# KiCad board cell-sim.kicad_pcb (continued)
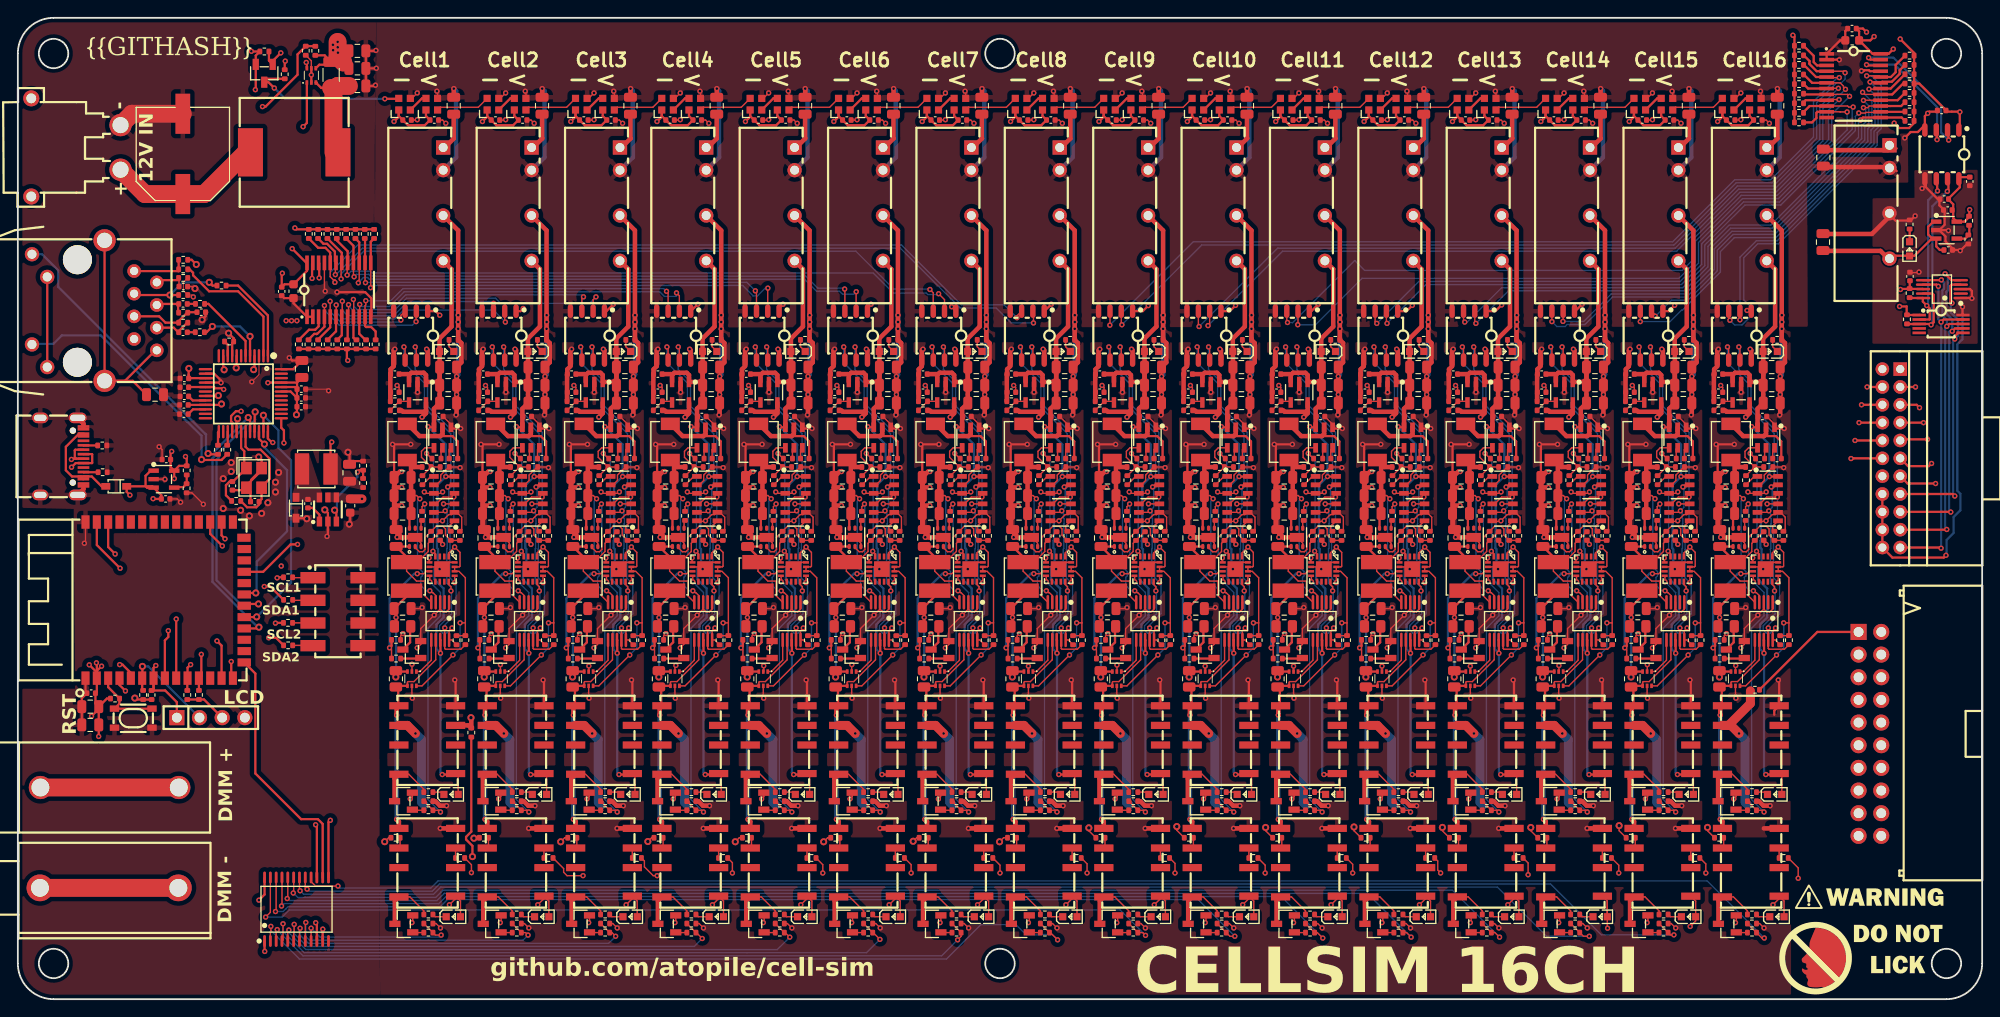
[diagram p0: board, top side]
## Nets (continued)
cell2.gpio-p6: U45.9
cell2.gpio-p7: U45.10
cell2.internal_ldo.feedback_div-out: R115.2 R116.1 U49.4
cell2.isolated_converter.led.resistor-cathode: LED5.1 R94.1
cell2.ldo.ctrl_resistor-fb: R99.2 R100.2 R101.1 U41.2
cell2.ldo.dac-vout: R99.1 U40.1
cell2.ldo.regulator-dnc: U41.5
cell2.ldo.regulator-en: R102.2 U41.4
cell2.load_switch.fet-gate: Q6.1 R110.2
cell2.load_switch.fet-n: Q6.3 R112.2
cell2.output_relay.fet-gate: Q4.1 R105.2
cell2.output_relay.indicator_led.resistor-cathode: LED6.1 R104.1
cell2.output_relay.relay-gnd: Q4.3 R104.2 U43.8
cell2.voltage_led.ic-vcc: U47.4 U48.2
CELL2_3V3_VCC: C72.1 R113.2 R114.2 R115.1 U38.3 U40.3 U42.6 U45.1 U45.14 U45.15 U46.8 U49.5
CELL2_5V_VCC: C58.1 C59.1 C60.1 C61.1 C71.1 LED5.2 LED6.2 U36.6 U37.8 U38.6 U39.3 U43.1 U49.1 U49.3
CELL2_BUCK_ENABLE: R98.1 U45.4
CELL2_BUCK_POWER_OUT_VCC: C62.1 C63.1 C64.1 L5.2 R96.1 U37.4 U41.6
CELL2_CURRENT_SENSE_OUTPUT: U37.6 U42.1
CELL2_CURRENT_SENSE_POWER_OUT_VCC: R103.2 U37.7 U42.4 U43.5 U44.5
CELL2_DMM_RELAY_CONTROL: R108.1 R109.1 U16.8
CELL2_FILTER_POWER_OUT_VCC: C68.1 C74.2 C75.2 C76.2 C77.2 C78.2 C79.2 C80.2 C82.2 C83.2 C84.2 C87.2 C88.2 L6.2 Q7.2 Q9.2 R103.1 R112.1 R119.2 R122.2 R126.2 R131.2 R136.2 R141.2 U42.3 U50.4 U51.1 U51.3 U52.2 U53.1 U54.2 U54.6 U55.3 U55.7 U56.2 U56.5 U57.4 U58.4 U59.6 U59.16 U59.17 U60.5 U63.2
CELL2_I2C_SCL: R114.1 U37.10 U38.5 U40.5 U45.12 U46.6
CELL2_I2C_SDA: R113.1 U37.9 U38.4 U40.4 U45.13 U46.7
CELL2_LDO_ENABLE: R102.1 U45.5
CELL2_LDO_POWER_OUT_VCC: C66.1 C67.1 L6.1 R100.1 U37.5 U41.1
CELL2_OUTPUT_RELAY_CONTROL: R105.1 R106.1 U45.8
cell3-gnd: U57.3
cell3-led_data: U61.2 U76.4
cell3-vcc: U57.6 U246.15 U247.10
cell3.adc-alert_slash_rdy: U51.2
cell3.buck.ctrl_resistor-vfb: R120.2 R121.2 R122.1 U53.4
cell3.buck.dac-vout: R120.1 U52.1
cell3.buck.regulator-en: R123.2 U53.5
cell3.buck.regulator-sw: C81.2 L7.1 U53.2
cell3.buck.regulator-vbst: C81.1 U53.6
cell3.dmm_relay-gnd: R143.1 U58.3
cell3.dmm_relay-vcc: R142.1 U58.6
cell3.dmm_relay.fet-gate: Q8.1 R133.2
cell3.dmm_relay.indicator_led.resistor-cathode: LED10.1 R132.1
cell3.dmm_relay.relay-gnd: Q8.3 R132.2 U58.8
cell3.gpio-int: U59.11
cell3.gpio-p0: U59.2
cell3.gpio-p1: U59.3
cell3.gpio-p4: R135.1 R136.1 U59.7
cell3.gpio-p6: U59.9
cell3.gpio-p7: U59.10
cell3.internal_ldo.feedback_div-out: R140.2 R141.1 U63.4
cell3.isolated_converter.led.resistor-cathode: LED8.1 R119.1
cell3.ldo.ctrl_resistor-fb: R124.2 R125.2 R126.1 U55.2
cell3.ldo.dac-vout: R124.1 U54.1
cell3.ldo.regulator-dnc: U55.5
cell3.ldo.regulator-en: R127.2 U55.4
cell3.load_switch.fet-gate: Q9.1 R135.2
cell3.load_switch.fet-n: Q9.3 R137.2
cell3.output_relay.fet-gate: Q7.1 R130.2
cell3.output_relay.indicator_led.resistor-cathode: LED9.1 R129.1
cell3.output_relay.relay-gnd: Q7.3 R129.2 U57.8
cell3.voltage_led.ic-vcc: U61.4 U62.2
CELL3_3V3_VCC: C88.1 R138.2 R139.2 R140.1 U52.3 U54.3 U56.6 U59.1 U59.14 U59.15 U60.8 U63.5
CELL3_5V_VCC: C74.1 C75.1 C76.1 C77.1 C87.1 LED8.2 LED9.2 U50.6 U51.8 U52.6 U53.3 U57.1 U63.1 U63.3
CELL3_BUCK_ENABLE: R123.1 U59.4
CELL3_BUCK_POWER_OUT_VCC: C78.1 C79.1 C80.1 L7.2 R121.1 U51.4 U55.6
CELL3_CURRENT_SENSE_OUTPUT: U51.6 U56.1
CELL3_CURRENT_SENSE_POWER_OUT_VCC: R128.2 U51.7 U56.4 U57.5 U58.5
CELL3_DMM_RELAY_CONTROL: R133.1 R134.1 U16.7
CELL3_FILTER_POWER_OUT_VCC: C84.1 C90.2 C91.2 C92.2 C93.2 C94.2 C95.2 C96.2 C98.2 C99.2 C100.2 C103.2 C104.2 L8.2 Q10.2 Q12.2 R128.1 R137.1 R144.2 R147.2 R151.2 R156.2 R161.2 R166.2 U56.3 U64.4 U65.1 U65.3 U66.2 U67.1 U68.2 U68.6 U69.3 U69.7 U70.2 U70.5 U71.4 U72.4 U73.6 U73.16 U73.17 U74.5 U77.2
CELL3_I2C_SCL: R139.1 U51.10 U52.5 U54.5 U59.12 U60.6
CELL3_I2C_SDA: R138.1 U51.9 U52.4 U54.4 U59.13 U60.7
CELL3_LDO_ENABLE: R127.1 U59.5
CELL3_LDO_POWER_OUT_VCC: C82.1 C83.1 L8.1 R125.1 U51.5 U55.1
CELL3_OUTPUT_RELAY_CONTROL: R130.1 R131.1 U59.8
cell4-gnd: U71.3
cell4-led_data: U75.2 U90.4
cell4-vcc: U71.6 U246.14 U247.9
cell4.adc-alert_slash_rdy: U65.2
cell4.buck.ctrl_resistor-vfb: R145.2 R146.2 R147.1 U67.4
cell4.buck.dac-vout: R145.1 U66.1
cell4.buck.regulator-en: R148.2 U67.5
cell4.buck.regulator-sw: C97.2 L9.1 U67.2
cell4.buck.regulator-vbst: C97.1 U67.6
cell4.dmm_relay-gnd: R168.1 U72.3
cell4.dmm_relay-vcc: R167.1 U72.6
cell4.dmm_relay.fet-gate: Q11.1 R158.2
cell4.dmm_relay.indicator_led.resistor-cathode: LED13.1 R157.1
cell4.dmm_relay.relay-gnd: Q11.3 R157.2 U72.8
cell4.gpio-int: U73.11
cell4.gpio-p0: U73.2
cell4.gpio-p1: U73.3
cell4.gpio-p4: R160.1 R161.1 U73.7
cell4.gpio-p6: U73.9
cell4.gpio-p7: U73.10
cell4.internal_ldo.feedback_div-out: R165.2 R166.1 U77.4
cell4.isolated_converter.led.resistor-cathode: LED11.1 R144.1
cell4.ldo.ctrl_resistor-fb: R149.2 R150.2 R151.1 U69.2
cell4.ldo.dac-vout: R149.1 U68.1
cell4.ldo.regulator-dnc: U69.5
cell4.ldo.regulator-en: R152.2 U69.4
cell4.load_switch.fet-gate: Q12.1 R160.2
cell4.load_switch.fet-n: Q12.3 R162.2
cell4.output_relay.fet-gate: Q10.1 R155.2
cell4.output_relay.indicator_led.resistor-cathode: LED12.1 R154.1
cell4.output_relay.relay-gnd: Q10.3 R154.2 U71.8
cell4.voltage_led.ic-vcc: U75.4 U76.2
CELL4_3V3_VCC: C104.1 R163.2 R164.2 R165.1 U66.3 U68.3 U70.6 U73.1 U73.14 U73.15 U74.8 U77.5
CELL4_5V_VCC: C90.1 C91.1 C92.1 C93.1 C103.1 LED11.2 LED12.2 U64.6 U65.8 U66.6 U67.3 U71.1 U77.1 U77.3
CELL4_BUCK_ENABLE: R148.1 U73.4
CELL4_BUCK_POWER_OUT_VCC: C94.1 C95.1 C96.1 L9.2 R146.1 U65.4 U69.6
CELL4_CURRENT_SENSE_OUTPUT: U65.6 U70.1
CELL4_CURRENT_SENSE_POWER_OUT_VCC: R153.2 U65.7 U70.4 U71.5 U72.5
CELL4_DMM_RELAY_CONTROL: R158.1 R159.1 U16.6
CELL4_FILTER_POWER_OUT_VCC: C100.1 C106.2 C107.2 C108.2 C109.2 C110.2 C111.2 C112.2 C114.2 C115.2 C116.2 C119.2 C120.2 L10.2 Q13.2 Q15.2 R153.1 R162.1 R169.2 R172.2 R176.2 R181.2 R186.2 R191.2 U70.3 U78.4 U79.1 U79.3 U80.2 U81.1 U82.2 U82.6 U83.3 U83.7 U84.2 U84.5 U85.4 U86.4 U87.6 U87.16 U87.17 U88.5 U91.2
CELL4_I2C_SCL: R164.1 U65.10 U66.5 U68.5 U73.12 U74.6
CELL4_I2C_SDA: R163.1 U65.9 U66.4 U68.4 U73.13 U74.7
CELL4_LDO_ENABLE: R152.1 U73.5
CELL4_LDO_POWER_OUT_VCC: C98.1 C99.1 L10.1 R150.1 U65.5 U69.1
CELL4_OUTPUT_RELAY_CONTROL: R155.1 R156.1 U73.8
cell5-gnd: U85.3
cell5-led_data: U89.2 U104.4
cell5-vcc: U85.6 U246.13 U247.8
cell5.adc-alert_slash_rdy: U79.2
cell5.buck.ctrl_resistor-vfb: R170.2 R171.2 R172.1 U81.4
cell5.buck.dac-vout: R170.1 U80.1
cell5.buck.regulator-en: R173.2 U81.5
cell5.buck.regulator-sw: C113.2 L11.1 U81.2
cell5.buck.regulator-vbst: C113.1 U81.6
cell5.dmm_relay-gnd: R193.1 U86.3
cell5.dmm_relay-vcc: R192.1 U86.6
cell5.dmm_relay.fet-gate: Q14.1 R183.2
cell5.dmm_relay.indicator_led.resistor-cathode: LED16.1 R182.1
cell5.dmm_relay.relay-gnd: Q14.3 R182.2 U86.8
cell5.gpio-int: U87.11
cell5.gpio-p0: U87.2
cell5.gpio-p1: U87.3
cell5.gpio-p4: R185.1 R186.1 U87.7
cell5.gpio-p6: U87.9
cell5.gpio-p7: U87.10
cell5.internal_ldo.feedback_div-out: R190.2 R191.1 U91.4
cell5.isolated_converter.led.resistor-cathode: LED14.1 R169.1
cell5.ldo.ctrl_resistor-fb: R174.2 R175.2 R176.1 U83.2
cell5.ldo.dac-vout: R174.1 U82.1
cell5.ldo.regulator-dnc: U83.5
cell5.ldo.regulator-en: R177.2 U83.4
cell5.load_switch.fet-gate: Q15.1 R185.2
cell5.load_switch.fet-n: Q15.3 R187.2
cell5.output_relay.fet-gate: Q13.1 R180.2
cell5.output_relay.indicator_led.resistor-cathode: LED15.1 R179.1
cell5.output_relay.relay-gnd: Q13.3 R179.2 U85.8
cell5.voltage_led.ic-vcc: U89.4 U90.2
CELL5_3V3_VCC: C120.1 R188.2 R189.2 R190.1 U80.3 U82.3 U84.6 U87.1 U87.14 U87.15 U88.8 U91.5
CELL5_5V_VCC: C106.1 C107.1 C108.1 C109.1 C119.1 LED14.2 LED15.2 U78.6 U79.8 U80.6 U81.3 U85.1 U91.1 U91.3
CELL5_BUCK_ENABLE: R173.1 U87.4
CELL5_BUCK_POWER_OUT_VCC: C110.1 C111.1 C112.1 L11.2 R171.1 U79.4 U83.6
CELL5_CURRENT_SENSE_OUTPUT: U79.6 U84.1
CELL5_CURRENT_SENSE_POWER_OUT_VCC: R178.2 U79.7 U84.4 U85.5 U86.5
CELL5_DMM_RELAY_CONTROL: R183.1 R184.1 U16.5
CELL5_FILTER_POWER_OUT_VCC: C116.1 C122.2 C123.2 C124.2 C125.2 C126.2 C127.2 C128.2 C130.2 C131.2 C132.2 C135.2 C136.2 L12.2 Q16.2 Q18.2 R178.1 R187.1 R194.2 R197.2 R201.2 R206.2 R211.2 R216.2 U84.3 U92.4 U93.1 U93.3 U94.2 U95.1 U96.2 U96.6 U97.3 U97.7 U98.2 U98.5 U99.4 U100.4 U101.6 U101.16 U101.17 U102.5 U105.2
CELL5_I2C_SCL: R189.1 U79.10 U80.5 U82.5 U87.12 U88.6
CELL5_I2C_SDA: R188.1 U79.9 U80.4 U82.4 U87.13 U88.7
CELL5_LDO_ENABLE: R177.1 U87.5
CELL5_LDO_POWER_OUT_VCC: C114.1 C115.1 L12.1 R175.1 U79.5 U83.1
CELL5_OUTPUT_RELAY_CONTROL: R180.1 R181.1 U87.8
cell6-gnd: U99.3
cell6-led_data: U103.2 U118.4
cell6-vcc: U99.6 U246.12 U247.7
cell6.adc-alert_slash_rdy: U93.2
cell6.buck.ctrl_resistor-vfb: R195.2 R196.2 R197.1 U95.4
cell6.buck.dac-vout: R195.1 U94.1
cell6.buck.regulator-en: R198.2 U95.5
cell6.buck.regulator-sw: C129.2 L13.1 U95.2
cell6.buck.regulator-vbst: C129.1 U95.6
cell6.dmm_relay-gnd: R218.1 U100.3
cell6.dmm_relay-vcc: R217.1 U100.6
cell6.dmm_relay.fet-gate: Q17.1 R208.2
cell6.dmm_relay.indicator_led.resistor-cathode: LED19.1 R207.1
cell6.dmm_relay.relay-gnd: Q17.3 R207.2 U100.8
cell6.gpio-int: U101.11
cell6.gpio-p0: U101.2
cell6.gpio-p1: U101.3
cell6.gpio-p4: R210.1 R211.1 U101.7
cell6.gpio-p6: U101.9
cell6.gpio-p7: U101.10
cell6.internal_ldo.feedback_div-out: R215.2 R216.1 U105.4
cell6.isolated_converter.led.resistor-cathode: LED17.1 R194.1
cell6.ldo.ctrl_resistor-fb: R199.2 R200.2 R201.1 U97.2
cell6.ldo.dac-vout: R199.1 U96.1
cell6.ldo.regulator-dnc: U97.5
cell6.ldo.regulator-en: R202.2 U97.4
cell6.load_switch.fet-gate: Q18.1 R210.2
cell6.load_switch.fet-n: Q18.3 R212.2
cell6.output_relay.fet-gate: Q16.1 R205.2
cell6.output_relay.indicator_led.resistor-cathode: LED18.1 R204.1
cell6.output_relay.relay-gnd: Q16.3 R204.2 U99.8
cell6.voltage_led.ic-vcc: U103.4 U104.2
CELL6_3V3_VCC: C136.1 R213.2 R214.2 R215.1 U94.3 U96.3 U98.6 U101.1 U101.14 U101.15 U102.8 U105.5
CELL6_5V_VCC: C122.1 C123.1 C124.1 C125.1 C135.1 LED17.2 LED18.2 U92.6 U93.8 U94.6 U95.3 U99.1 U105.1 U105.3
CELL6_BUCK_ENABLE: R198.1 U101.4
CELL6_BUCK_POWER_OUT_VCC: C126.1 C127.1 C128.1 L13.2 R196.1 U93.4 U97.6
CELL6_CURRENT_SENSE_OUTPUT: U93.6 U98.1
CELL6_CURRENT_SENSE_POWER_OUT_VCC: R203.2 U93.7 U98.4 U99.5 U100.5
CELL6_DMM_RELAY_CONTROL: R208.1 R209.1 U16.4
CELL6_FILTER_POWER_OUT_VCC: C132.1 C138.2 C139.2 C140.2 C141.2 C142.2 C143.2 C144.2 C146.2 C147.2 C148.2 C151.2 C152.2 L14.2 Q19.2 Q21.2 R203.1 R212.1 R219.2 R222.2 R226.2 R231.2 R236.2 R241.2 U98.3 U106.4 U107.1 U107.3 U108.2 U109.1 U110.2 U110.6 U111.3 U111.7 U112.2 U112.5 U113.4 U114.4 U115.6 U115.16 U115.17 U116.5 U119.2
CELL6_I2C_SCL: R214.1 U93.10 U94.5 U96.5 U101.12 U102.6
CELL6_I2C_SDA: R213.1 U93.9 U94.4 U96.4 U101.13 U102.7
CELL6_LDO_ENABLE: R202.1 U101.5
CELL6_LDO_POWER_OUT_VCC: C130.1 C131.1 L14.1 R200.1 U93.5 U97.1
CELL6_OUTPUT_RELAY_CONTROL: R205.1 R206.1 U101.8
cell7-gnd: U113.3
cell7-led_data: U117.2 U132.4
cell7-vcc: U113.6 U246.11 U247.6
cell7.adc-alert_slash_rdy: U107.2
cell7.buck.ctrl_resistor-vfb: R220.2 R221.2 R222.1 U109.4
cell7.buck.dac-vout: R220.1 U108.1
cell7.buck.regulator-en: R223.2 U109.5
cell7.buck.regulator-sw: C145.2 L15.1 U109.2
cell7.buck.regulator-vbst: C145.1 U109.6
cell7.dmm_relay-gnd: R243.1 U114.3
cell7.dmm_relay-vcc: R242.1 U114.6
cell7.dmm_relay.fet-gate: Q20.1 R233.2
cell7.dmm_relay.indicator_led.resistor-cathode: LED22.1 R232.1
cell7.dmm_relay.relay-gnd: Q20.3 R232.2 U114.8
cell7.gpio-int: U115.11
cell7.gpio-p0: U115.2
cell7.gpio-p1: U115.3
cell7.gpio-p4: R235.1 R236.1 U115.7
cell7.gpio-p6: U115.9
cell7.gpio-p7: U115.10
cell7.internal_ldo.feedback_div-out: R240.2 R241.1 U119.4
cell7.isolated_converter.led.resistor-cathode: LED20.1 R219.1
cell7.ldo.ctrl_resistor-fb: R224.2 R225.2 R226.1 U111.2
cell7.ldo.dac-vout: R224.1 U110.1
cell7.ldo.regulator-dnc: U111.5
cell7.ldo.regulator-en: R227.2 U111.4
cell7.load_switch.fet-gate: Q21.1 R235.2
cell7.load_switch.fet-n: Q21.3 R237.2
cell7.output_relay.fet-gate: Q19.1 R230.2
cell7.output_relay.indicator_led.resistor-cathode: LED21.1 R229.1
cell7.output_relay.relay-gnd: Q19.3 R229.2 U113.8
cell7.voltage_led.ic-vcc: U117.4 U118.2
CELL7_3V3_VCC: C152.1 R238.2 R239.2 R240.1 U108.3 U110.3 U112.6 U115.1 U115.14 U115.15 U116.8 U119.5
CELL7_5V_VCC: C138.1 C139.1 C140.1 C141.1 C151.1 LED20.2 LED21.2 U106.6 U107.8 U108.6 U109.3 U113.1 U119.1 U119.3
CELL7_BUCK_ENABLE: R223.1 U115.4
CELL7_BUCK_POWER_OUT_VCC: C142.1 C143.1 C144.1 L15.2 R221.1 U107.4 U111.6
CELL7_CURRENT_SENSE_OUTPUT: U107.6 U112.1
CELL7_CURRENT_SENSE_POWER_OUT_VCC: R228.2 U107.7 U112.4 U113.5 U114.5
CELL7_DMM_RELAY_CONTROL: R233.1 R234.1 U16.3
CELL7_FILTER_POWER_OUT_VCC: C148.1 C154.2 C155.2 C156.2 C157.2 C158.2 C159.2 C160.2 C162.2 C163.2 C164.2 C167.2 C168.2 L16.2 Q22.2 Q24.2 R228.1 R237.1 R244.2 R247.2 R251.2 R256.2 R261.2 R266.2 U112.3 U120.4 U121.1 U121.3 U122.2 U123.1 U124.2 U124.6 U125.3 U125.7 U126.2 U126.5 U127.4 U128.4 U129.6 U129.16 U129.17 U130.5 U133.2
CELL7_I2C_SCL: R239.1 U107.10 U108.5 U110.5 U115.12 U116.6
CELL7_I2C_SDA: R238.1 U107.9 U108.4 U110.4 U115.13 U116.7
CELL7_LDO_ENABLE: R227.1 U115.5
CELL7_LDO_POWER_OUT_VCC: C146.1 C147.1 L16.1 R225.1 U107.5 U111.1
CELL7_OUTPUT_RELAY_CONTROL: R230.1 R231.1 U115.8
cell8-gnd: U127.3
cell8-led_data: U131.2 U146.4
cell8-vcc: U127.6 U246.10 U247.5
cell8.adc-alert_slash_rdy: U121.2
cell8.buck.ctrl_resistor-vfb: R245.2 R246.2 R247.1 U123.4
cell8.buck.dac-vout: R245.1 U122.1
cell8.buck.regulator-en: R248.2 U123.5
cell8.buck.regulator-sw: C161.2 L17.1 U123.2
cell8.buck.regulator-vbst: C161.1 U123.6
cell8.dmm_relay-gnd: R268.1 U128.3
cell8.dmm_relay-vcc: R267.1 U128.6
cell8.dmm_relay.fet-gate: Q23.1 R258.2
cell8.dmm_relay.indicator_led.resistor-cathode: LED25.1 R257.1
cell8.dmm_relay.relay-gnd: Q23.3 R257.2 U128.8
cell8.gpio-int: U129.11
cell8.gpio-p0: U129.2
cell8.gpio-p1: U129.3
cell8.gpio-p4: R260.1 R261.1 U129.7
cell8.gpio-p6: U129.9
cell8.gpio-p7: U129.10
cell8.internal_ldo.feedback_div-out: R265.2 R266.1 U133.4
cell8.isolated_converter.led.resistor-cathode: LED23.1 R244.1
cell8.ldo.ctrl_resistor-fb: R249.2 R250.2 R251.1 U125.2
cell8.ldo.dac-vout: R249.1 U124.1
cell8.ldo.regulator-dnc: U125.5
cell8.ldo.regulator-en: R252.2 U125.4
cell8.load_switch.fet-gate: Q24.1 R260.2
cell8.load_switch.fet-n: Q24.3 R262.2
cell8.output_relay.fet-gate: Q22.1 R255.2
cell8.output_relay.indicator_led.resistor-cathode: LED24.1 R254.1
cell8.output_relay.relay-gnd: Q22.3 R254.2 U127.8
cell8.voltage_led.ic-vcc: U131.4 U132.2
CELL8_3V3_VCC: C168.1 R263.2 R264.2 R265.1 U122.3 U124.3 U126.6 U129.1 U129.14 U129.15 U130.8 U133.5
CELL8_5V_VCC: C154.1 C155.1 C156.1 C157.1 C167.1 LED23.2 LED24.2 U120.6 U121.8 U122.6 U123.3 U127.1 U133.1 U133.3
CELL8_BUCK_ENABLE: R248.1 U129.4
CELL8_BUCK_POWER_OUT_VCC: C158.1 C159.1 C160.1 L17.2 R246.1 U121.4 U125.6
CELL8_CURRENT_SENSE_OUTPUT: U121.6 U126.1
CELL8_CURRENT_SENSE_POWER_OUT_VCC: R253.2 U121.7 U126.4 U127.5 U128.5
CELL8_DMM_RELAY_CONTROL: R258.1 R259.1 U16.2
CELL8_FILTER_POWER_OUT_VCC: C164.1 C170.2 C171.2 C172.2 C173.2 C174.2 C175.2 C176.2 C178.2 C179.2 C180.2 C183.2 C184.2 L18.2 Q25.2 Q27.2 R253.1 R262.1 R269.2 R272.2 R276.2 R281.2 R286.2 R291.2 U126.3 U134.4 U135.1 U135.3 U136.2 U137.1 U138.2 U138.6 U139.3 U139.7 U140.2 U140.5 U141.4 U142.4 U143.6 U143.16 U143.17 U144.5 U147.2
CELL8_I2C_SCL: R264.1 U121.10 U122.5 U124.5 U129.12 U130.6
CELL8_I2C_SDA: R263.1 U121.9 U122.4 U124.4 U129.13 U130.7
CELL8_LDO_ENABLE: R252.1 U129.5
CELL8_LDO_POWER_OUT_VCC: C162.1 C163.1 L18.1 R250.1 U121.5 U125.1
CELL8_OUTPUT_RELAY_CONTROL: R255.1 R256.1 U129.8
cell9-gnd: U141.3
cell9-led_data: U145.2 U160.4
cell9-vcc: U141.6 U246.9 U247.4
cell9.adc-alert_slash_rdy: U135.2
cell9.buck.ctrl_resistor-vfb: R270.2 R271.2 R272.1 U137.4
cell9.buck.dac-vout: R270.1 U136.1
cell9.buck.regulator-en: R273.2 U137.5
cell9.buck.regulator-sw: C177.2 L19.1 U137.2
cell9.buck.regulator-vbst: C177.1 U137.6
cell9.dmm_relay-gnd: R293.1 U142.3
cell9.dmm_relay-vcc: R292.1 U142.6
cell9.dmm_relay.fet-gate: Q26.1 R283.2
cell9.dmm_relay.indicator_led.resistor-cathode: LED28.1 R282.1
cell9.dmm_relay.relay-gnd: Q26.3 R282.2 U142.8
cell9.gpio-int: U143.11
cell9.gpio-p0: U143.2
cell9.gpio-p1: U143.3
cell9.gpio-p4: R285.1 R286.1 U143.7
cell9.gpio-p6: U143.9
cell9.gpio-p7: U143.10
cell9.internal_ldo.feedback_div-out: R290.2 R291.1 U147.4
cell9.isolated_converter.led.resistor-cathode: LED26.1 R269.1
cell9.ldo.ctrl_resistor-fb: R274.2 R275.2 R276.1 U139.2
cell9.ldo.dac-vout: R274.1 U138.1
cell9.ldo.regulator-dnc: U139.5
cell9.ldo.regulator-en: R277.2 U139.4
cell9.load_switch.fet-gate: Q27.1 R285.2
cell9.load_switch.fet-n: Q27.3 R287.2
cell9.output_relay.fet-gate: Q25.1 R280.2
cell9.output_relay.indicator_led.resistor-cathode: LED27.1 R279.1
cell9.output_relay.relay-gnd: Q25.3 R279.2 U141.8
cell9.voltage_led.ic-vcc: U145.4 U146.2
CELL9_3V3_VCC: C184.1 R288.2 R289.2 R290.1 U136.3 U138.3 U140.6 U143.1 U143.14 U143.15 U144.8 U147.5
CELL9_5V_VCC: C170.1 C171.1 C172.1 C173.1 C183.1 LED26.2 LED27.2 U134.6 U135.8 U136.6 U137.3 U141.1 U147.1 U147.3
CELL9_BUCK_ENABLE: R273.1 U143.4
CELL9_BUCK_POWER_OUT_VCC: C174.1 C175.1 C176.1 L19.2 R271.1 U135.4 U139.6
CELL9_CURRENT_SENSE_OUTPUT: U135.6 U140.1
CELL9_CURRENT_SENSE_POWER_OUT_VCC: R278.2 U135.7 U140.4 U141.5 U142.5
CELL9_DMM_RELAY_CONTROL: R283.1 R284.1 U16.23
CELL9_FILTER_POWER_OUT_VCC: C180.1 C186.2 C187.2 C188.2 C189.2 C190.2 C191.2 C192.2 C194.2 C195.2 C196.2 C199.2 C200.2 L20.2 Q28.2 Q30.2 R278.1 R287.1 R294.2 R297.2 R301.2 R306.2 R311.2 R316.2 U140.3 U148.4 U149.1 U149.3 U150.2 U151.1 U152.2 U152.6 U153.3 U153.7 U154.2 U154.5 U155.4 U156.4 U157.6 U157.16 U157.17 U158.5 U161.2
CELL9_I2C_SCL: R289.1 U135.10 U136.5 U138.5 U143.12 U144.6
CELL9_I2C_SDA: R288.1 U135.9 U136.4 U138.4 U143.13 U144.7
CELL9_LDO_ENABLE: R277.1 U143.5
CELL9_LDO_POWER_OUT_VCC: C178.1 C179.1 L20.1 R275.1 U135.5 U139.1
CELL9_OUTPUT_RELAY_CONTROL: R280.1 R281.1 U143.8
cell10-gnd: U155.3
cell10-led_data: U159.2 U174.4
cell10-vcc: U155.6 U246.8 U247.3
cell10.adc-alert_slash_rdy: U149.2
cell10.buck.ctrl_resistor-vfb: R295.2 R296.2 R297.1 U151.4
cell10.buck.dac-vout: R295.1 U150.1
cell10.buck.regulator-en: R298.2 U151.5
cell10.buck.regulator-sw: C193.2 L21.1 U151.2
cell10.buck.regulator-vbst: C193.1 U151.6
cell10.dmm_relay-gnd: R318.1 U156.3
cell10.dmm_relay-vcc: R317.1 U156.6
cell10.dmm_relay.fet-gate: Q29.1 R308.2
cell10.dmm_relay.indicator_led.resistor-cathode: LED31.1 R307.1
cell10.dmm_relay.relay-gnd: Q29.3 R307.2 U156.8
cell10.gpio-int: U157.11
cell10.gpio-p0: U157.2
cell10.gpio-p1: U157.3
cell10.gpio-p4: R310.1 R311.1 U157.7
cell10.gpio-p6: U157.9
cell10.gpio-p7: U157.10
cell10.internal_ldo.feedback_div-out: R315.2 R316.1 U161.4
cell10.isolated_converter.led.resistor-cathode: LED29.1 R294.1
cell10.ldo.ctrl_resistor-fb: R299.2 R300.2 R301.1 U153.2
cell10.ldo.dac-vout: R299.1 U152.1
cell10.ldo.regulator-dnc: U153.5
cell10.ldo.regulator-en: R302.2 U153.4
cell10.load_switch.fet-gate: Q30.1 R310.2
cell10.load_switch.fet-n: Q30.3 R312.2
cell10.output_relay.fet-gate: Q28.1 R305.2
cell10.output_relay.indicator_led.resistor-cathode: LED30.1 R304.1
cell10.output_relay.relay-gnd: Q28.3 R304.2 U155.8
cell10.voltage_led.ic-vcc: U159.4 U160.2
CELL10_3V3_VCC: C200.1 R313.2 R314.2 R315.1 U150.3 U152.3 U154.6 U157.1 U157.14 U157.15 U158.8 U161.5
CELL10_5V_VCC: C186.1 C187.1 C188.1 C189.1 C199.1 LED29.2 LED30.2 U148.6 U149.8 U150.6 U151.3 U155.1 U161.1 U161.3
CELL10_BUCK_ENABLE: R298.1 U157.4
CELL10_BUCK_POWER_OUT_VCC: C190.1 C191.1 C192.1 L21.2 R296.1 U149.4 U153.6
CELL10_CURRENT_SENSE_OUTPUT: U149.6 U154.1
CELL10_CURRENT_SENSE_POWER_OUT_VCC: R303.2 U149.7 U154.4 U155.5 U156.5
CELL10_DMM_RELAY_CONTROL: R308.1 R309.1 U16.22
CELL10_FILTER_POWER_OUT_VCC: C196.1 C202.2 C203.2 C204.2 C205.2 C206.2 C207.2 C208.2 C210.2 C211.2 C212.2 C215.2 C216.2 L22.2 Q31.2 Q33.2 R303.1 R312.1 R319.2 R322.2 R326.2 R331.2 R336.2 R341.2 U154.3 U162.4 U163.1 U163.3 U164.2 U165.1 U166.2 U166.6 U167.3 U167.7 U168.2 U168.5 U169.4 U170.4 U171.6 U171.16 U171.17 U172.5 U175.2
CELL10_I2C_SCL: R314.1 U149.10 U150.5 U152.5 U157.12 U158.6
CELL10_I2C_SDA: R313.1 U149.9 U150.4 U152.4 U157.13 U158.7
CELL10_LDO_ENABLE: R302.1 U157.5
CELL10_LDO_POWER_OUT_VCC: C194.1 C195.1 L22.1 R300.1 U149.5 U153.1
CELL10_OUTPUT_RELAY_CONTROL: R305.1 R306.1 U157.8
cell11-gnd: U169.3
cell11-led_data: U173.2 U188.4
cell11-vcc: U169.6 U246.7 U247.2
cell11.adc-alert_slash_rdy: U163.2
cell11.buck.ctrl_resistor-vfb: R320.2 R321.2 R322.1 U165.4
cell11.buck.dac-vout: R320.1 U164.1
cell11.buck.regulator-en: R323.2 U165.5
cell11.buck.regulator-sw: C209.2 L23.1 U165.2
cell11.buck.regulator-vbst: C209.1 U165.6
cell11.dmm_relay-gnd: R343.1 U170.3
cell11.dmm_relay-vcc: R342.1 U170.6
cell11.dmm_relay.fet-gate: Q32.1 R333.2
cell11.dmm_relay.indicator_led.resistor-cathode: LED34.1 R332.1
cell11.dmm_relay.relay-gnd: Q32.3 R332.2 U170.8
cell11.gpio-int: U171.11
cell11.gpio-p0: U171.2
cell11.gpio-p1: U171.3
cell11.gpio-p4: R335.1 R336.1 U171.7
cell11.gpio-p6: U171.9
cell11.gpio-p7: U171.10
cell11.internal_ldo.feedback_div-out: R340.2 R341.1 U175.4
cell11.isolated_converter.led.resistor-cathode: LED32.1 R319.1
cell11.ldo.ctrl_resistor-fb: R324.2 R325.2 R326.1 U167.2
cell11.ldo.dac-vout: R324.1 U166.1
cell11.ldo.regulator-dnc: U167.5
cell11.ldo.regulator-en: R327.2 U167.4
cell11.load_switch.fet-gate: Q33.1 R335.2
cell11.load_switch.fet-n: Q33.3 R337.2
cell11.output_relay.fet-gate: Q31.1 R330.2
cell11.output_relay.indicator_led.resistor-cathode: LED33.1 R329.1
cell11.output_relay.relay-gnd: Q31.3 R329.2 U169.8
cell11.voltage_led.ic-vcc: U173.4 U174.2
CELL11_3V3_VCC: C216.1 R338.2 R339.2 R340.1 U164.3 U166.3 U168.6 U171.1 U171.14 U171.15 U172.8 U175.5
CELL11_5V_VCC: C202.1 C203.1 C204.1 C205.1 C215.1 LED32.2 LED33.2 U162.6 U163.8 U164.6 U165.3 U169.1 U175.1 U175.3
CELL11_BUCK_ENABLE: R323.1 U171.4
CELL11_BUCK_POWER_OUT_VCC: C206.1 C207.1 C208.1 L23.2 R321.1 U163.4 U167.6
CELL11_CURRENT_SENSE_OUTPUT: U163.6 U168.1
CELL11_CURRENT_SENSE_POWER_OUT_VCC: R328.2 U163.7 U168.4 U169.5 U170.5
CELL11_DMM_RELAY_CONTROL: R333.1 R334.1 U16.21
CELL11_FILTER_POWER_OUT_VCC: C212.1 C218.2 C219.2 C220.2 C221.2 C222.2 C223.2 C224.2 C226.2 C227.2 C228.2 C231.2 C232.2 L24.2 Q34.2 Q36.2 R328.1 R337.1 R344.2 R347.2 R351.2 R356.2 R361.2 R366.2 U168.3 U176.4 U177.1 U177.3 U178.2 U179.1 U180.2 U180.6 U181.3 U181.7 U182.2 U182.5 U183.4 U184.4 U185.6 U185.16 U185.17 U186.5 U189.2
CELL11_I2C_SCL: R339.1 U163.10 U164.5 U166.5 U171.12 U172.6
CELL11_I2C_SDA: R338.1 U163.9 U164.4 U166.4 U171.13 U172.7
CELL11_LDO_ENABLE: R327.1 U171.5
CELL11_LDO_POWER_OUT_VCC: C210.1 C211.1 L24.1 R325.1 U163.5 U167.1
CELL11_OUTPUT_RELAY_CONTROL: R330.1 R331.1 U171.8
cell12-gnd: U183.3
cell12-led_data: U187.2 U202.4
cell12-vcc: U183.6 U246.6 U247.1
cell12.adc-alert_slash_rdy: U177.2
cell12.buck.ctrl_resistor-vfb: R345.2 R346.2 R347.1 U179.4
cell12.buck.dac-vout: R345.1 U178.1
cell12.buck.regulator-en: R348.2 U179.5
cell12.buck.regulator-sw: C225.2 L25.1 U179.2
cell12.buck.regulator-vbst: C225.1 U179.6
cell12.dmm_relay-gnd: R368.1 U184.3
cell12.dmm_relay-vcc: R367.1 U184.6
cell12.dmm_relay.fet-gate: Q35.1 R358.2
cell12.dmm_relay.indicator_led.resistor-cathode: LED37.1 R357.1
cell12.dmm_relay.relay-gnd: Q35.3 R357.2 U184.8
cell12.gpio-int: U185.11
cell12.gpio-p0: U185.2
cell12.gpio-p1: U185.3
cell12.gpio-p4: R360.1 R361.1 U185.7
cell12.gpio-p6: U185.9
cell12.gpio-p7: U185.10
cell12.internal_ldo.feedback_div-out: R365.2 R366.1 U189.4
cell12.isolated_converter.led.resistor-cathode: LED35.1 R344.1
cell12.ldo.ctrl_resistor-fb: R349.2 R350.2 R351.1 U181.2
cell12.ldo.dac-vout: R349.1 U180.1
cell12.ldo.regulator-dnc: U181.5
cell12.ldo.regulator-en: R352.2 U181.4
cell12.load_switch.fet-gate: Q36.1 R360.2
cell12.load_switch.fet-n: Q36.3 R362.2
cell12.output_relay.fet-gate: Q34.1 R355.2
cell12.output_relay.indicator_led.resistor-cathode: LED36.1 R354.1
cell12.output_relay.relay-gnd: Q34.3 R354.2 U183.8
cell12.voltage_led.ic-vcc: U187.4 U188.2
CELL12_3V3_VCC: C232.1 R363.2 R364.2 R365.1 U178.3 U180.3 U182.6 U185.1 U185.14 U185.15 U186.8 U189.5
CELL12_5V_VCC: C218.1 C219.1 C220.1 C221.1 C231.1 LED35.2 LED36.2 U176.6 U177.8 U178.6 U179.3 U183.1 U189.1 U189.3
CELL12_BUCK_ENABLE: R348.1 U185.4
CELL12_BUCK_POWER_OUT_VCC: C222.1 C223.1 C224.1 L25.2 R346.1 U177.4 U181.6
CELL12_CURRENT_SENSE_OUTPUT: U177.6 U182.1
CELL12_CURRENT_SENSE_POWER_OUT_VCC: R353.2 U177.7 U182.4 U183.5 U184.5
CELL12_DMM_RELAY_CONTROL: R358.1 R359.1 U16.20
CELL12_FILTER_POWER_OUT_VCC: C228.1 C234.2 C235.2 C236.2 C237.2 C238.2 C239.2 C240.2 C242.2 C243.2 C244.2 C247.2 C248.2 L26.2 Q37.2 Q39.2 R353.1 R362.1 R369.2 R372.2 R376.2 R381.2 R386.2 R391.2 U182.3 U190.4 U191.1 U191.3 U192.2 U193.1 U194.2 U194.6 U195.3 U195.7 U196.2 U196.5 U197.4 U198.4 U199.6 U199.16 U199.17 U200.5 U203.2
CELL12_I2C_SCL: R364.1 U177.10 U178.5 U180.5 U185.12 U186.6
CELL12_I2C_SDA: R363.1 U177.9 U178.4 U180.4 U185.13 U186.7
CELL12_LDO_ENABLE: R352.1 U185.5
CELL12_LDO_POWER_OUT_VCC: C226.1 C227.1 L26.1 R350.1 U177.5 U181.1
CELL12_OUTPUT_RELAY_CONTROL: R355.1 R356.1 U185.8
cell13-gnd: U197.3
cell13-led_data: U201.2 U216.4
cell13-vcc: U197.6 U246.5
cell13.adc-alert_slash_rdy: U191.2
cell13.buck.ctrl_resistor-vfb: R370.2 R371.2 R372.1 U193.4
cell13.buck.dac-vout: R370.1 U192.1
cell13.buck.regulator-en: R373.2 U193.5
cell13.buck.regulator-sw: C241.2 L27.1 U193.2
cell13.buck.regulator-vbst: C241.1 U193.6
